# Altium PCB PCB_SDR.PcbDoc (part 3 of 6)
Units mil, origin at the board's own origin, x right, y up, seen from the top; angles counter-clockwise.
Board outline 4925.6 x 3220.01 mil, 8 copper layers (Top Layer, GND1, Signal 1, Power1, Power2, Signal 2, GND2, Bottom Layer), stack 62.84 mil thick; 406 components, 373 nets, 1642 pads, 1474 vias.
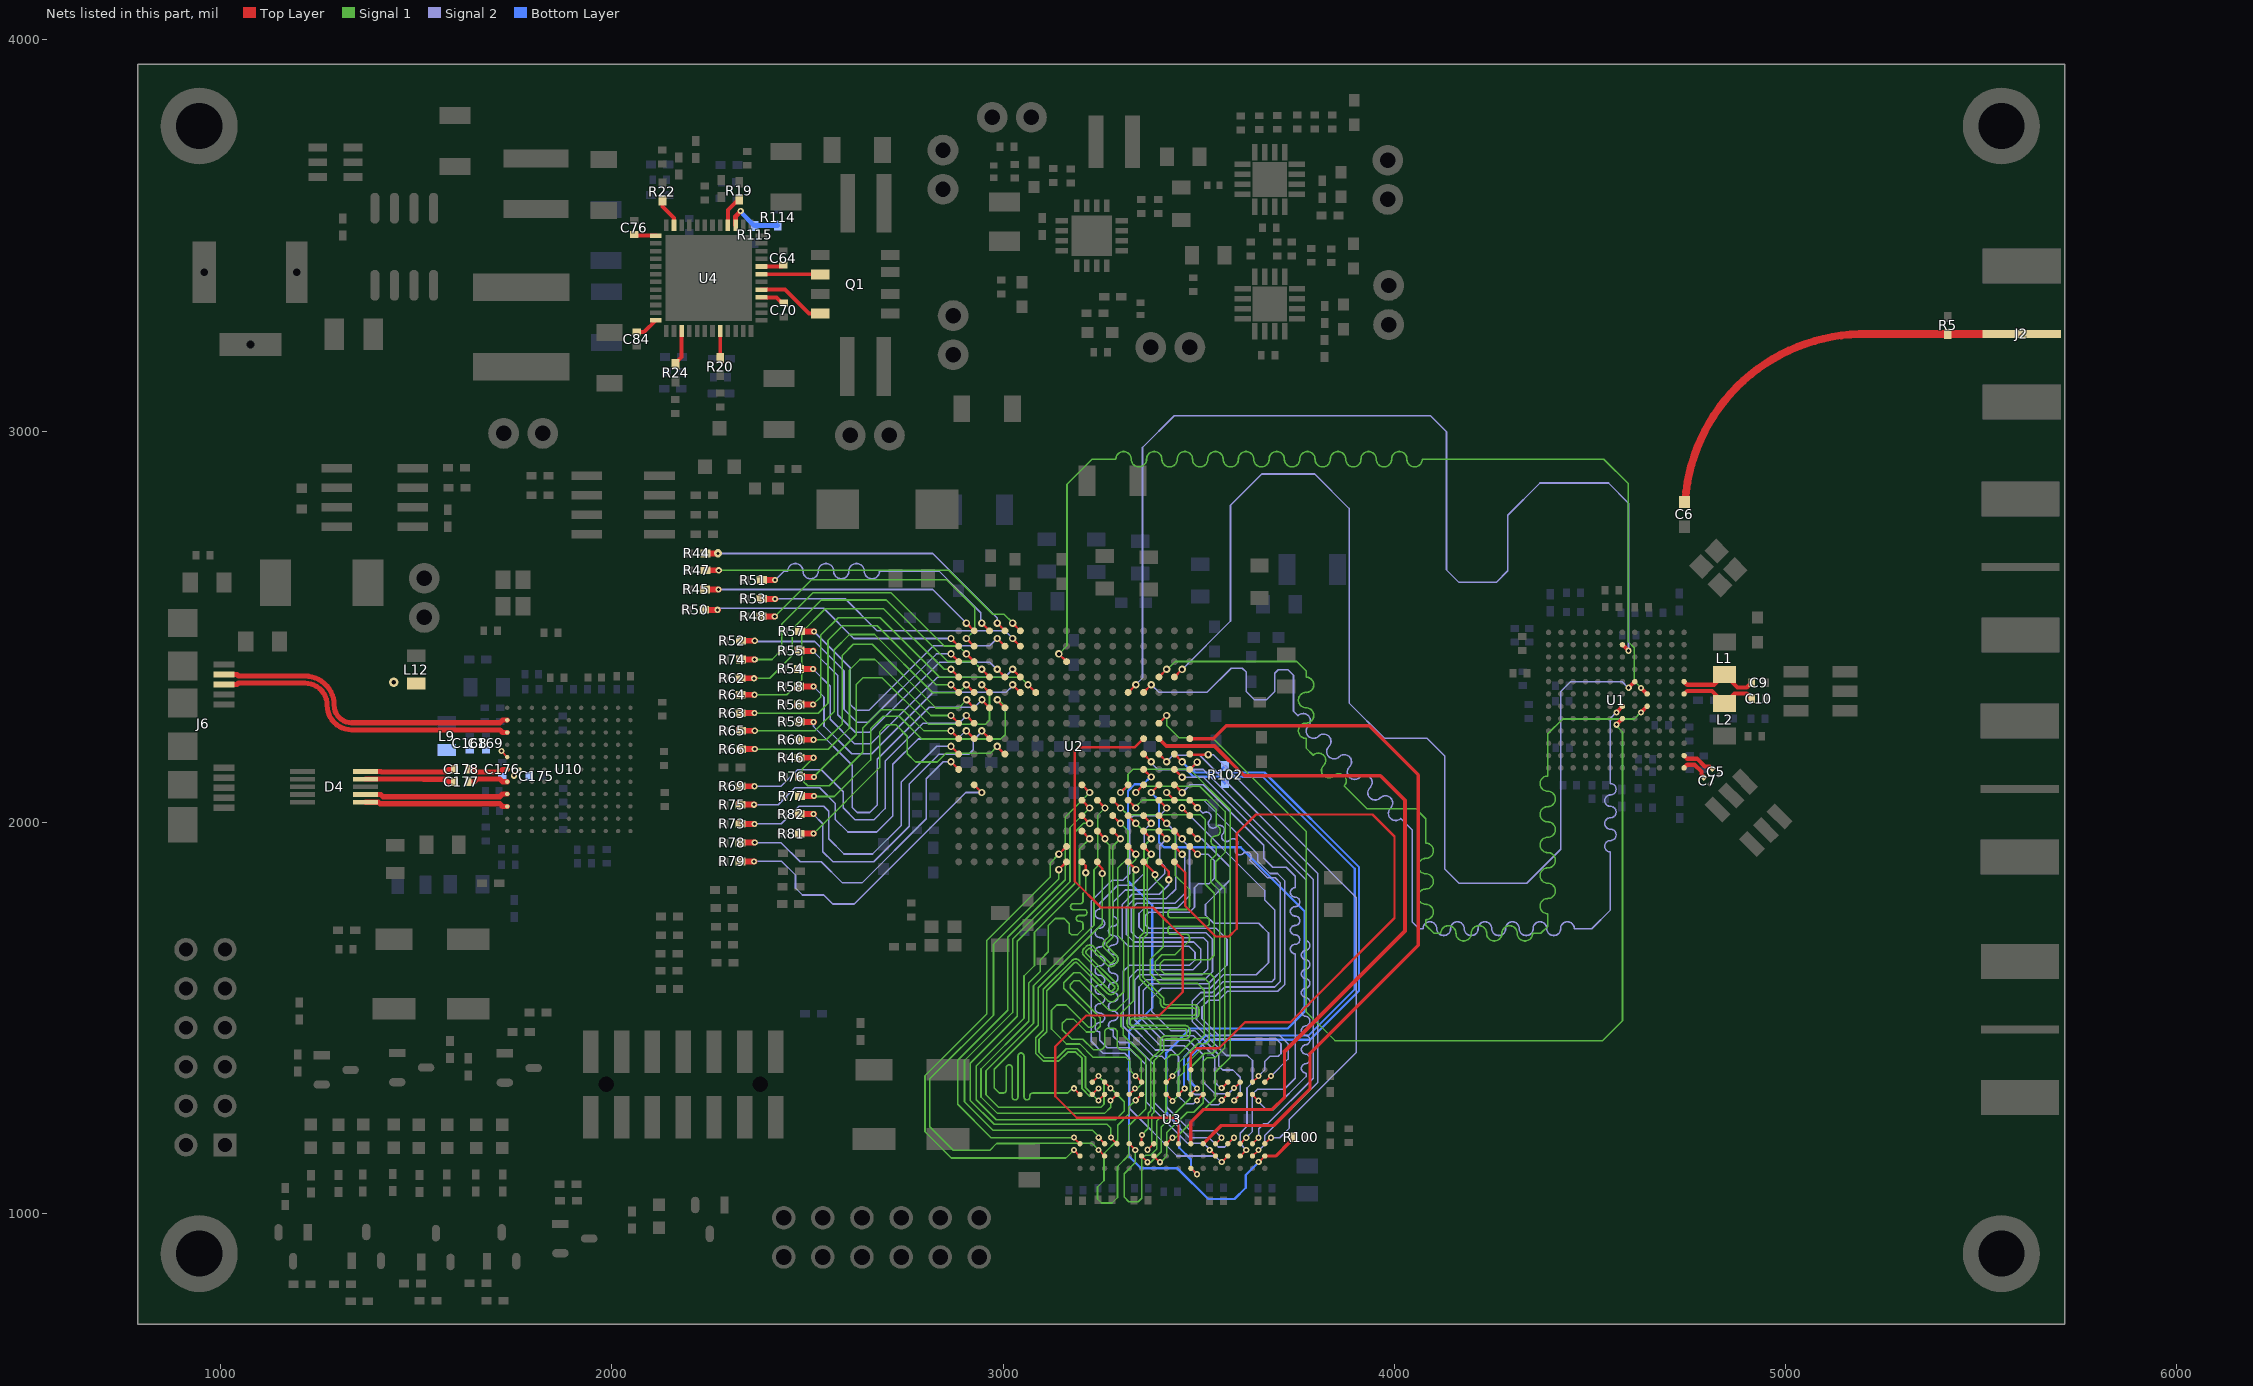
[diagram p9: the nets of this part, all layers, seen from the top]

## Via types
v1: diameter 15.75, hole 7.87, Top Layer to Bottom Layer, tented both sides, 559 vias
v2: diameter 18.9, hole 9.84, Top Layer to Bottom Layer, tented both sides, 368 vias
v3: diameter 20, hole 11.81, Top Layer to Bottom Layer, 129 vias
v4: diameter 15.75, hole 7.87, Top Layer to Bottom Layer, 126 vias
v5: diameter 20, hole 10, Top Layer to Bottom Layer, 124 vias
v6: diameter 24, hole 12, Top Layer to Bottom Layer, 105 vias
v7: diameter 19.68, hole 9.84, Top Layer to Bottom Layer, tented both sides, 22 vias
v8: diameter 19.68, hole 7.87, Top Layer to Bottom Layer, tented both sides, 20 vias
v9: diameter 20, hole 10, Top Layer to Bottom Layer, tented both sides, 14 vias
v10: diameter 21.65, hole 9.84, Top Layer to Bottom Layer, 6 vias
v11: diameter 21.65, hole 7.87, Top Layer to Bottom Layer, tented both sides, 1 vias

## Nets (pads, with @x,y where several pads share a name; then routed paths per layer and width w, separated by ;. In a path a pad name is that pad's centre, name@x,y a point inside that pad or via, vN(x,y) a via of type N, cw(c..) or ccw(c..) an arc to the next point about the centre after c; other vN are vias at no path point) (continued)
AD9364_P1D10: U1.J7 U2.J3 | length 2961.9
  Top Layer w6: v2(3142.13,2430.32) U2.J3@3161.81,2410.63
  Top Layer w10: v1@4629.92,2343.7 v1(4630.12,2343.5) U1.J7@4645.67,2327.95
  Signal 1 w4.15: v2(3142.13,2430.32) 3142.32,2430.32 3163,2451 3163,2864 3227,2928 3288,2928 cw(c3307.57,2928) 3327.15,2928 ccw(c3346.72,2928) 3366.3,2928 cw(c3385.87,2928) 3405.44,2928 ccw(c3425.02,2928) 3444.59,2928 cw(c3464.17,2928) 3483.74,2928 ccw(c3503.31,2928) 3522.89,2928 cw(c3542.46,2928) 3562.04,2928 ccw(c3581.61,2928) 3601.18,2928 cw(c3620.76,2928) 3640.33,2928 ccw(c3659.91,2928) 3679.48,2928 cw(c3699.05,2928) 3718.63,2928 ccw(c3738.2,2928) 3757.78,2928 cw(c3777.35,2928) 3796.92,2928 ccw(c3816.5,2928) 3836.07,2928 cw(c3855.65,2928) 3875.22,2928 ccw(c3894.79,2928) 3914.37,2928 cw(c3933.94,2928) 3953.52,2928 ccw(c3973.09,2928) 3992.66,2928 cw(c4012.24,2928) 4031.81,2928 ccw(c4051.39,2928) 4070.96,2928 4072,2928 4535,2928 4597.85,2865.15 4597.85,2461 4612.85,2446 4612.85,2361 4630.12,2343.73 v1(4630.12,2343.5)
AD9364_P1D11: U1.H8 U2.B4 | length 2921.1
  Top Layer w6: U2.B4@3437.4,2371.26 v2@3457.09,2390.94
  Top Layer w10: v1@4598.43,2343.7 v1(4598.62,2343.9) U1.H8@4614.17,2359.45
  Signal 2 w4.15: v2(3457.33,2390.7) 3581,2514.37 3581,2810 3661,2890 3796,2890 3884,2802 3884,2305 3974,2215 4083,2215 4128,2170 4128,1881 4165,1844 4337.85,1844 4425,1931.15 4425,2334.15 4449.85,2359 4581.85,2359 4596.95,2343.9 v1(4598.62,2343.9) v1@4598.62,2344.23
AVDD: C168.2 C169.1 L9.2 U10.A7 | length 22
  Top Layer w5: v1(1717.29,2182.53) U10.A7@1732.65,2166.78
BST1: C64.1 U4.32 | length 57.4
  Top Layer w10: U4.32@2382.19,3420.47 2434.19,3420.47 C64.1@2438,3424.28
BST2: C70.1 U4.28 | length 58.9
  Top Layer w10: U4.28@2382.19,3341.73 2420.27,3341.73 C70.1@2435,3327
BST3: C76.1 U4.1 | length 54.9
  Top Layer w10: C76.1@2057,3499.28 2057.07,3499.21 U4.1@2111.91,3499.21
BST4: C84.1 U4.12 | length 61.3
  Top Layer w10: C84.1@2063,3252.72 2081.94,3252.72 U4.12@2111.91,3282.68
C_RXA_N: C5.2 U1.M2 | length 87
  Top Layer w10.5: U1.M2@4740.16,2170.47 4748.16,2162.47 4773.45,2162.47 4793.04,2142.88 4805.57,2142.88 C5.2@4812.76,2135.69
C_RXA_P: C7.2 U1.M1 | length 71.4
  Top Layer w10.5: U1.M1@4740.16,2138.98 4748.16,2146.97 4767.03,2146.97 4784.36,2129.64 4784.36,2121.67 C7.2@4790.51,2115.51
C_TXA_N: C9.2 L1.1 U1.M8 | length 206.3
  Top Layer w10.5: U1.M8@4740.16,2359.45 4748.16,2351.45 4816.79,2351.45 L1.1@4843,2377.66 4876.41,2344.25 4900.38,2344.25 C9.2@4913.13,2357
C_TXA_P: C10.2 L2.1 U1.M7 | length 198.2
  Top Layer w10.5: U1.M7@4740.16,2327.95 4748.16,2335.95 4811.24,2335.95 L2.1@4838.6,2308.59 ; L2.1@4843.85,2303.34 4869.26,2328.75 4900.38,2328.75 C10.2@4913.13,2316
CAPTX_N: C178.2 U10.A6 | length 105.1
  Top Layer w13: C178.2@1632.72,2135 1648.07,2135 1654.78,2128.29 1713.54,2128.29 1720.28,2135.04 U10.A6@1732.28,2135.04
CAPTX_P: C177.2 U10.A5 | length 105.4
  Top Layer w13: C177.2@1632.72,2103 1648.07,2103 1655.37,2110.29 1713.54,2110.29 1720.28,2103.54 U10.A5@1732.28,2103.54
CLK_OUT: U1.J6 U2.C4 | length 2955.6
  Top Layer w6: U2.C4@3398.03,2371.26 v2(3417.72,2390.94)
  Top Layer w10: v1(4630.12,2280.91) U1.J6@4645.67,2296.46
  Signal 1 w4.15: v2(3417.72,2390.94) 3419.94,2390.94 3440,2411 3750,2411 3774,2387 3774,2371 cw(c3774,2351.43) 3774,2331.85 ccw(c3774,2312.28) 3774,2292.7 cw(c3774,2273.13) 3774,2253.56 ccw(c3774,2233.98) 3774,2214.41 3774,2201 3774,2189.98 3792.49,2171.49 cw(c3805.62,2158.36) 3818.76,2145.22 ccw(c3831.89,2132.09) 3845.03,2118.96 cw(c3858.16,2105.82) 3871.29,2092.69 3873.99,2089.99 3928.98,2035 4054,2035 4080,2009 4080,1986 4080,1946.85 cw(c4080,1927.28) 4080,1907.7 ccw(c4080,1888.13) 4080,1868.56 cw(c4080,1848.98) 4080,1829.41 ccw(c4080,1809.83) 4080,1790.26 cw(c4080,1770.69) 4080,1751.11 4080,1737 4101,1716 4118,1716 cw(c4137.57,1716) 4157.15,1716 ccw(c4176.72,1716) 4196.3,1716 cw(c4215.87,1716) 4235.44,1716 ccw(c4255.02,1716) 4274.59,1716 cw(c4294.17,1716) 4313.74,1716 ccw(c4333.31,1716) 4352.89,1716 4365,1716 4374,1716 4391.85,1733.85 4391.85,1766 cw(c4391.85,1785.57) 4391.85,1805.15 ccw(c4391.85,1824.72) 4391.85,1844.3 cw(c4391.85,1863.87) 4391.85,1883.44 ccw(c4391.85,1903.02) 4391.85,1922.59 cw(c4391.85,1942.17) 4391.85,1961.74 ccw(c4391.85,1981.31) 4391.85,2000.89 cw(c4391.85,2020.46) 4391.85,2040.04 ccw(c4391.85,2059.61) 4391.85,2079.18 cw(c4391.85,2098.76) 4391.85,2118.33 4391.85,2127 4391.85,2226 4429.85,2264 4612.85,2264 4629.76,2280.91 v1(4630.12,2280.91)
  Signal 2 w4.15: v2(3417.72,2390.94) v2@3417.94,2390.94
CLK_SMA: C6.2 J2.1 R5.2 | length 1100.7
  Top Layer w19.67: C6.2@4743,2822 C6.2@4743.01,2822.08 ; C6.2@4743.07,2821.97 cw(c5200.52,2789.48) 5211.97,3247.93 ; 5200.52,3248 J2.1@5601.85,3248
COMP1: R19.2 U4.40 | length 79.1
  Top Layer w10: U4.40@2296.26,3526.09 2296.26,3565.26 2323.24,3592.24 R19.2@2325,3592.24
COMP2: R20.2 U4.20 | length 69.6
  Top Layer w10: U4.20@2276.57,3255.8 2276.77,3255.61 R20.2@2276.77,3186.33
COMP3: R22.2 U4.47 | length 75.4
  Top Layer w10: R22.2@2129,3589.24 2129,3574 2158.46,3544.54 U4.47@2158.46,3526.09
COMP4: R24.2 U4.15 | length 91.7
  Top Layer w10: R24.2@2162.4,3170.58 2162.4,3173.4 2178.15,3189.15 U4.15@2178.15,3255.8
CVDDQ: C175.2 C176.2 L12.2 U10.B6 | length 22
  Top Layer w5: v1@1748.03,2119.69 U10.B6@1763.78,2135.04
  other v1: 1750,2119.03
  other v6: 1442,2358.03
D_N: J6.2 U10.A10 | length 796.3
  Top Layer w13: J6.2@1008.54,2377.58 1041.62,2377.58 1045.41,2373.79 1215.21,2373.79 cw(c1215.21,2299) 1290,2299 ccw(c1334.72,2299) 1334.72,2254.28 1713.54,2254.28 1720.28,2261.02 U10.A10@1732.28,2261.02
D_P: J6.3 U10.A9 | length 796.3
  Top Layer w13: J6.3@1008.54,2351.99 1041.62,2351.99 1045.41,2355.79 1215.21,2355.79 cw(c1215.21,2299) 1272,2299 ccw(c1334.72,2299) 1334.72,2236.28 1713.54,2236.28 1720.28,2229.53 U10.A9@1732.28,2229.53
DATA_CLK: U1.G11 U2.E5 | length 2913.8
  Top Layer w6: U2.E5@3319.29,2331.89 v2(3338.98,2351.57)
  Top Layer w10: U1.G11@4582.68,2453.94 v1(4598.23,2438.39) v1@4598.42,2438.19
  Signal 2 w4.15: v2@3338.98,2351.02 v2(3338.98,2351.57) ; v2@3340.57,2351.57 v2(3338.98,2351.57) ; v1@4598.23,2436.38 v1(4598.23,2438.39) 4598.23,2815.62 4546.85,2867 4371.85,2867 4289.85,2785 4289.85,2642.85 4260,2613 4165,2613 4133,2645 4133,2998 4092,3039 3437,3039 3356,2958 3356,2369 3338.98,2351.98 v2(3338.98,2351.57)
DDR3_A0: U2.C14 U3.N3 | length 1319.5
  Top Layer w5: U3.N3@3574.08,1178.42 3589.78,1193.72 v1@3589.83,1193.77
  Top Layer w6: U2.C14@3398.03,1977.56 v2(3417.72,1957.87)
  Signal 1 w4.15: v2(3417.72,1957.87) v2@3419.13,1957.87
  Signal 2 w4.15: v2@3413.87,1957.87 v2(3417.72,1957.87) 3399.84,1940 3399.84,1899.16 3413,1886 3413,1869 3371,1827 3312,1827 3281,1796 3281,1782 3281,1758.78 cw(c3281,1746.7) 3281,1734.63 ccw(c3281,1722.55) 3281,1710.48 cw(c3281,1698.41) 3281,1686.33 ccw(c3281,1674.26) 3281,1662.18 cw(c3281,1650.11) 3281,1638.04 ccw(c3281,1625.96) 3281,1613.89 cw(c3281,1601.81) 3281,1589.74 ccw(c3281,1577.67) 3281,1565.59 cw(c3281,1553.52) 3281,1541.44 ccw(c3281,1529.37) 3281,1517.3 cw(c3281,1505.22) 3281,1493.15 ccw(c3281,1481.07) 3281,1469 3281,1453 3297,1437 3329,1437 3385,1381 3385,1284.98 3475.98,1194 3526,1194 3549.95,1170.05 3566,1170.05 v1(3589.73,1193.77)
DDR3_A1: U2.A14 U3.P7 | length 1316.4
  Top Layer w5: v1@3590.25,1288.65 3590.3,1288.7 U3.P7@3605.98,1303.98
  Top Layer w6: U2.A14@3476.77,1977.56 v2(3496.46,1957.87)
  Signal 2 w4.15: v2(3496.46,1957.87) 3507.13,1957.87 3580,1885 3580,1853 3517,1790 3517,1763 3538,1742 3653,1742 3678,1717 3678,1641 3647,1610 3563,1610 3529,1576 3405,1576 3380,1551 3380,1516 3429,1467 3490,1467 3551,1406 3551,1377 3561,1367 3587,1367 3606,1348 3606,1306 3590.35,1290.35 v1(3590.35,1288.65)
DDR3_A2: U2.B11 U3.P3 | length 1319.4
  Top Layer w5: U3.P3@3605.57,1178.42 3621.27,1193.72 v1@3621.32,1193.77
  Top Layer w6: U2.B11@3437.4,2095.67 v2@3457.09,2075.98
  Signal 2 w4.15: v2(3457.33,2075.74) 3457.74,2075.74 3478,2096 3511,2096 3666,1941 3666,1908 3689,1885 3723,1885 3746,1862 3746,1857 3746,1832.85 ccw(c3746,1820.78) 3746,1808.7 cw(c3746,1796.63) 3746,1784.56 ccw(c3746,1772.48) 3746,1760.41 cw(c3746,1748.33) 3746,1736.26 ccw(c3746,1724.19) 3746,1712.11 cw(c3746,1700.04) 3746,1687.96 ccw(c3746,1675.89) 3746,1663.82 3746,1655 3746,1346 3718,1318 3650,1318 3636,1304 3636,1208.55 v1(3621.22,1193.77)
DDR3_A3: U2.C12 U3.N2 | length 1321.3
  Top Layer w5: v1(3558.43,1131.57) U3.N2@3574.08,1146.92
  Top Layer w6: U2.C12@3398.03,2056.3 v2(3417.72,2036.61)
  Signal 2 w4.15: v2(3417.72,2036.61) 3417.72,2035.28 3399.43,2017 3332,2017 3323.27,2008.27 3323.27,1869 3306.13,1851.87 3277.87,1851.87 3225,1799 3225,1440 3255,1410 3310.27,1410 3323.27,1397 3323.27,1267.73 3444,1147 3541,1147 3556.43,1131.57 v1(3558.43,1131.57)
  Bottom Layer w5: v2@3415.61,2036.61 v2(3417.72,2036.61)
DDR3_A4: U2.B14 U3.P8 | length 1323.6
  Top Layer w5: v1@3589.83,1320.54 3589.88,1320.59 U3.P8@3605.57,1335.9
  Top Layer w6: U2.B14@3437.4,1977.56 v2@3457.09,1957.87
  Signal 2 w4.15: v2@3458.37,1957.63 v2(3457.33,1957.63) 3457.33,1954.67 3476,1936 3476,1812 3445,1781 3361,1781 3347,1767 3347,1732 3361,1718 3518,1718 3535,1701 3535,1618 3515,1598 3366,1598 3347,1579 3347,1504 3408,1443 3474,1443 3510.89,1406.11 3510.89,1336.11 3541,1306 3575.38,1306 v1(3589.93,1320.54) v1@3589.93,1321.07
  Bottom Layer w5.91: v2@3457.33,1956.67 v2(3457.33,1957.63) v2@3457.63,1957.63
DDR3_A5: U2.A13 U3.P2 | length 1315.4
  Top Layer w5: U3.P2@3605.57,1146.92 3621.27,1162.22 v1@3621.32,1162.28
  Top Layer w6: v2@3457.09,2036.61 U2.A13@3476.77,2016.93
  Signal 2 w4.15: v2(3456.84,2036.86) 3668,1825.7 3668,1802 3694,1776 3694,1600 3686,1592 3561,1592 3534,1565 3505,1565 3483,1543 3483,1491 3570,1404 3624,1404 3637,1391 3637,1335 3623,1321 3623,1223 3605.44,1205.44 3605.44,1178.11 3621.28,1162.28 v1(3621.22,1162.28)
DDR3_A6: U2.A12 U3.R8 | length 1329
  Top Layer w5: U3.R8@3637.07,1335.9 3652.77,1351.2 v1@3652.82,1351.25
  Top Layer w6: U2.A12@3476.54,2056.97 3476.99,2056.52 v2(3496.23,2037.28)
  Signal 2 w4.15: v2@3497.94,2039 v2(3496.23,2037.28) 3510.76,2022.76 cw(c3519.29,2014.22) 3527.83,2005.68 ccw(c3536.37,1997.14) 3544.91,1988.61 cw(c3553.44,1980.07) 3561.98,1971.53 ccw(c3570.52,1962.99) 3579.06,1954.46 cw(c3587.59,1945.92) 3596.13,1937.38 ccw(c3604.67,1928.84) 3613.21,1920.3 cw(c3621.74,1911.77) 3630.28,1903.23 3638.26,1895.26 3675.51,1858 3695,1858 3708,1845 3708,1593 3694,1579 3566,1579 3542,1555 3516,1555 3494,1533 3494,1496 3544,1446 3698,1446 3710,1434 3710,1409 3703,1402 3682,1402 3668,1388 3668,1367 3652.72,1351.72 v1(3652.72,1351.25) v1@3653.25,1351.25
DDR3_A7: U2.C9 U3.R2 | length 1338.3
  Top Layer w5: U3.R2@3637.07,1146.92 3652.77,1162.23 v1@3652.82,1162.28
  Top Layer w6: U2.C9@3398.03,2174.41 v2(3417.72,2154.72)
  Signal 2 w4.15: v2(3417.72,2154.72) 3433.99,2171 3502,2171 3804,1869 3804,1335 3668,1199 3668,1176 3654.28,1162.28 v1(3652.72,1162.28)
DDR3_A8: U2.B12 U3.T8 | length 1334
  Top Layer w5: U3.T8@3668.57,1335.9 3684.26,1351.2 v1@3684.31,1351.25
  Top Layer w6: v2@3417.72,2075.98 U2.B12@3437.4,2056.3
  Signal 2 w4.15: v2(3417.47,2076.23) 3417.77,2076.23 3437,2057 3512,2057 3651,1918 3651,1900 3682,1869 3701,1869 3720,1850 3720,1586 3702,1568 3573,1568 3550,1545 3525,1545 3508,1528 3508,1498 3550,1456 3706,1456 3728,1434 3728,1395.04 v1(3684.21,1351.25)
DDR3_A9: U2.D9 U3.R3 | length 1313.7
  Top Layer w5: U3.R3@3637.07,1178.42 3652.77,1193.72 v1@3652.82,1193.77
  Top Layer w6: U2.D9@3358.66,2174.41 v2(3378.35,2154.72)
  Signal 1 w4.15: v2(3378.35,2154.72) v2(3378.35,2154.72)
  Signal 2 w4.15: v2(3378.35,2154.72) 3378.35,2151.65 3395,2135 3511,2135 3792,1854 3792,1346 3675,1229 3665,1229 3652.72,1216.72 v1(3652.72,1193.77)
DDR3_A10: U2.C13 U3.L7 | length 1321.9
  Top Layer w5: v1@3495.34,1289.05 3495.39,1289.1 U3.L7@3511.09,1304.4
  Top Layer w6: U2.C13@3398.03,2016.93 v2(3417.72,1997.24)
  Signal 2 w4.15: v2@3417.72,1994.28 v2(3417.72,1997.24) 3441,1973.96 3441,1829 3417,1805 3336,1805 3315,1784 3315,1713 3334,1694 3487,1694 3505,1676 3505,1643 3485,1623 3343,1623 3322,1602 3322,1485 3389,1418 3431,1418 3448,1401 3448,1300 3467,1281 3487.19,1281 v1(3495.24,1289.05)
DDR3_A11: U2.B10 U3.R7 | length 1309.8
  Top Layer w5: U3.R7@3637,1304 3652.3,1288.3 v1@3652.35,1288.25
  Top Layer w6: U2.B10@3437.4,2135.04 v2@3457.09,2115.35
  Signal 2 w4.15: v2(3457.33,2115.11) 3457.44,2115 3512,2115 3774,1853 3774,1706 3774,1697.07 cw(c3771.53,1685) 3774,1672.92 ccw(c3774,1660.85) 3774,1648.78 cw(c3771.53,1636.7) 3774,1624.63 ccw(c3774,1612.55) 3774,1600.48 cw(c3771.53,1588.41) 3774,1576.33 ccw(c3774,1564.26) 3774,1552.18 cw(c3771.53,1540.11) 3774,1528.04 ccw(c3774,1515.96) 3774,1503.89 cw(c3771.53,1491.81) 3774,1479.74 ccw(c3774,1467.67) 3774,1455.59 cw(c3771.53,1443.52) 3774,1431.44 ccw(c3774,1419.37) 3774,1407.3 cw(c3771.53,1395.22) 3774,1383.15 ccw(c3774,1371.07) 3774,1359 3774,1350 3689,1265 3673,1265 3652.35,1285.65 v1(3652.35,1288.35)
DDR3_A12: U2.B15 U3.N7 | length 1316.1
  Top Layer w5: v1@3558.3,1289.7 3573.74,1304.75 U3.N7@3574,1305
  Top Layer w6: U2.B15@3437.4,1938.19 v2@3457.09,1918.5
  Signal 2 w4.15: v2(3457.33,1918.26) 3457.33,1915.67 3464,1909 3464,1818 3439,1793 3341,1793 3327,1779 3327,1720 3342,1705 3512,1705 3523,1694 3523,1625 3508,1610 3349,1610 3336,1597 3336,1495 3402,1429 3463,1429 3478.82,1413.18 3478.82,1314.83 3489.53,1304.13 3504.87,1304.13 3531,1278 3550.35,1278 v1@3558.35,1286
  Bottom Layer w5.91: v2@3457.33,1916.67 v2(3457.33,1918.26)
  other v1: 3558.35,1289.65
DDR3_A13: U2.A9 U3.T3 | length 1315.3
  Top Layer w5: U3.T3@3668.57,1178.42 3684.26,1193.72 v1@3684.31,1193.77
  Top Layer w6: U2.A9@3478.44,2175.24 3480.69,2173 v2(3524,2173)
  Signal 2 w4.15: v2(3524,2173) 3537,2173 3902,1808 3902,1411.56 3731.44,1241 3731.44,1218.44 3706.77,1193.77 v1(3684.21,1193.77)
DDR3_BA0: U2.D13 U3.M2 | length 1312.2
  Top Layer w5: v1@3527.65,1162.75 3527.7,1162.7 3542.84,1147.17 3542.89,1147.11 U3.M2@3543,1147
  Top Layer w6: U2.D13@3358.66,2016.93 v2(3378.35,1997.24)
  Signal 2 w4.15: v2(3378.35,1997.24) 3360,1978.9 3360,1869 3330,1839 3293,1839 3247,1793 3247,1788 3247,1777.92 ccw(c3247,1765.85) 3247,1753.78 cw(c3247,1741.7) 3247,1729.63 ccw(c3247,1717.55) 3247,1705.48 cw(c3247,1693.41) 3247,1681.33 ccw(c3247,1669.26) 3247,1657.18 cw(c3247,1645.11) 3247,1633.04 ccw(c3247,1620.96) 3247,1608.89 cw(c3247,1596.81) 3247,1584.74 ccw(c3247,1572.67) 3247,1560.59 cw(c3247,1548.52) 3247,1536.44 ccw(c3247,1524.37) 3247,1512.3 cw(c3247,1500.22) 3247,1488.15 ccw(c3247,1476.07) 3247,1464 3247,1443 3266,1424 3321,1424 3365,1380 3365,1286 3471,1180 3512,1180 3527.65,1164.35 v1(3527.65,1162.65)
DDR3_BA1: U2.A15 U3.N8 | length 1322.3
  Top Layer w5: v1@3558.3,1320.7 U3.N8@3573.99,1335.99
  Top Layer w6: U2.A15@3476.77,1938.19 v2(3496.46,1918.51)
  Signal 2 w4.15: v2(3496.46,1918.51) 3523.49,1918.51 3540,1902 3540,1857 3526,1843 3499,1843 3489,1833 3489,1783 3476,1770 3372,1770 3363,1761 3363,1738 3372,1729 3544,1729 3572,1701 3572,1635 3524,1587 3375,1587 3358,1570 3358,1510 3414,1454 3487,1454 3540.68,1400.32 3540.68,1335.32 3555.35,1320.65 v1(3558.35,1320.65)
DDR3_BA2: U2.C16 U3.M3 | length 1314.2
  Top Layer w5: U3.M3@3542.58,1178.42 3558.28,1193.72 v1@3558.33,1193.77
  Top Layer w6: U2.C16@3398.03,1898.82 3423,1873.85 v2(3423,1853)
  Signal 2 w4.15: v2(3423,1853) 3423,1840 3399,1816 3330,1816 3304,1790 3304,1699 3320,1683 3475,1683 3490,1668 3490,1648 3477,1635 3323,1635 3307,1619 3307,1479 3384,1402 3406,1402 3417,1391 3417,1273 3478,1212 3540,1212 v1(3558.23,1193.77)
DDR3_CAS: U2.C8 U3.K3 | length 1901.7
  Top Layer w8.6: U3.K3@3479.59,1178.42 3479.59,1233.59 3512,1266 3688,1266 3719,1297 3719,1414
  Top Layer w9.28: U2.C8@3398.03,2213.78 3416.81,2195 3540,2195 3616,2119 3964,2119 4027,2056 4027,1722 3719,1414
DDR3_CKE: U2.B16 U3.K9 | length 1900.2
  Top Layer w5.91: U2.B16@3437.4,1898.82 3465,1871.22 3465,1786 3543,1708 3577,1708 3597,1728 3597,1971 3646,2020 3944,2020 4000,1964 4000,1755 3734,1489 3618,1489 3551.41,1422.41 3494.41,1422.41 3479.59,1407.59 U3.K9@3479.59,1367.39 U3.K9@3479.98,1367.39
DDR3_CKL_N: R102.1 U2.A10 U3.K7 | length 1527.3
  Top Layer w5: U3.K7@3479.59,1304.4 3495.29,1319.7 v1@3495.34,1319.76
  Top Layer w6: U2.A10@3476,2134 3476.91,2134.91 v2(3495.69,2153.68)
  Bottom Layer w5.7: v1(3495.24,1319.76) 3472.7,1342.29 3472.7,1394.7 3522,1444 3784.13,1444 3909,1568.87 3909,1886 3667.65,2127.35 3583.41,2127.35 R102.1@3567,2143.76 3550.59,2127.35 3490.65,2127.35 3481.86,2136.14 3481.86,2139.86 v2(3495.69,2153.68)
DDR3_CKL_P: R102.2 U2.B9 U3.J7 | length 1521.9
  Top Layer w5: U3.J7@3448.09,1304.4 v1@3463.79,1319.7
  Top Layer w6: U2.B9@3437.4,2174.41 v2@3457.09,2154.72
  Signal 1 w4.15: v2@3457.33,2152.67 v2(3457.33,2154.48)
  Bottom Layer w5.7: v2(3457.33,2154.48) 3471.16,2140.65 3471.16,2131.71 3486.22,2116.65 3550.59,2116.65 R102.2@3567,2100.24 3583.41,2116.65 3663.22,2116.65 3898.3,1881.57 3898.3,1573.3 3779.7,1454.7 3517.57,1454.7 3462,1399.13 3462,1321.5 v1(3463.74,1319.76) ; R102.2@3566.5,2099.74 R102.2@3567,2099.24
DDR3_DM0: U2.E15 U3.E7 | length 1303.7
  Top Layer w5: U3.E7@3322.11,1304.4 v1@3337.27,1319.18
  Top Layer w6: U2.E15@3319.29,1938.19 v2(3338.98,1918.5)
  Signal 1 w4.15: v1(3337.22,1319.23) 3341.81,1319.23 3352.58,1330 3352.58,1393 3326.58,1419 3302.47,1419 cw(c3302.47,1430.25) 3291.22,1430.25 3291.22,1462.72 ccw(c3279.97,1462.72) 3279.97,1473.97 3270.33,1473.97 ccw(c3270.33,1462.72) 3259.07,1462.72 3259.07,1430.25 cw(c3247.82,1430.25) 3247.82,1419 3243,1419 3230,1419 3203.58,1445.42 3175.58,1445.42 3151,1470 3151,1486 3162,1497 3179.82,1497 3212.97,1463.85 3233.03,1463.85 3247.79,1478.61 3247.79,1500.21 3171,1577 3171,1585 3181,1595 3195,1595 3270,1520 3289,1520 3320,1551 3320,1886 3338.98,1904.98 v2(3338.98,1918.5)
DDR3_DM1: U2.H13 U3.D3 | length 1306
  Top Layer w5: v1@3275.26,1194.17 v1(3275.26,1194.06) 3290.35,1178.69 U3.D3@3290.61,1178.42
  Top Layer w6: U2.H13@3201.18,2016.93 v2(3220.87,1997.24)
  Signal 1 w4.15: v2(3220.87,1997.24) 3205.24,1997.24 3182.85,1974.85 3182.85,1842.67 3036,1695.82 3036,1504 2916,1384 2916,1289 2977.15,1227.85 3265.15,1227.85 3275.26,1217.74 v1(3275.26,1194.06)
DDR3_DQ0: U2.D16 U3.E3 | length 1310.9
  Top Layer w5: U3.E3@3322.11,1178.42 3337.41,1162.72 v1@3337.46,1162.67
  Top Layer w6: U2.D16@3358.66,1898.82 3388,1869.48 v2(3388,1866)
  Signal 1 w4.15: v1(3337.46,1162.77) 3337.46,1130.46 3309,1102 3309,1042 3321,1030 3345,1030 3354,1039 3354,1139.15 3363.85,1149 3377,1149 3392,1164 3392,1236 3416,1260 3416,1394 3428,1406 3448,1406 3488.35,1446.35 3504.06,1446.35 3514,1456.3 3514,1571 3496.3,1588.7 3400.3,1588.7 3376,1613 3376,1649.18 3409,1682.18 3409,1833 3388,1854 v2(3388,1866)